# Altium PCB BW2098POE.PcbDoc (part 4 of 4)
Units mm, origin at the board's own origin, x right, y up, seen from the top; angles counter-clockwise.
Board outline 80 x 60 mm, 4 copper layers (Top Layer, Layer 2, Layer 3, Bottom Layer), stack 1.578 mm thick; 237 components, 208 nets, 924 pads, 538 vias.
Unrouted connection lines stored in the file: 70.
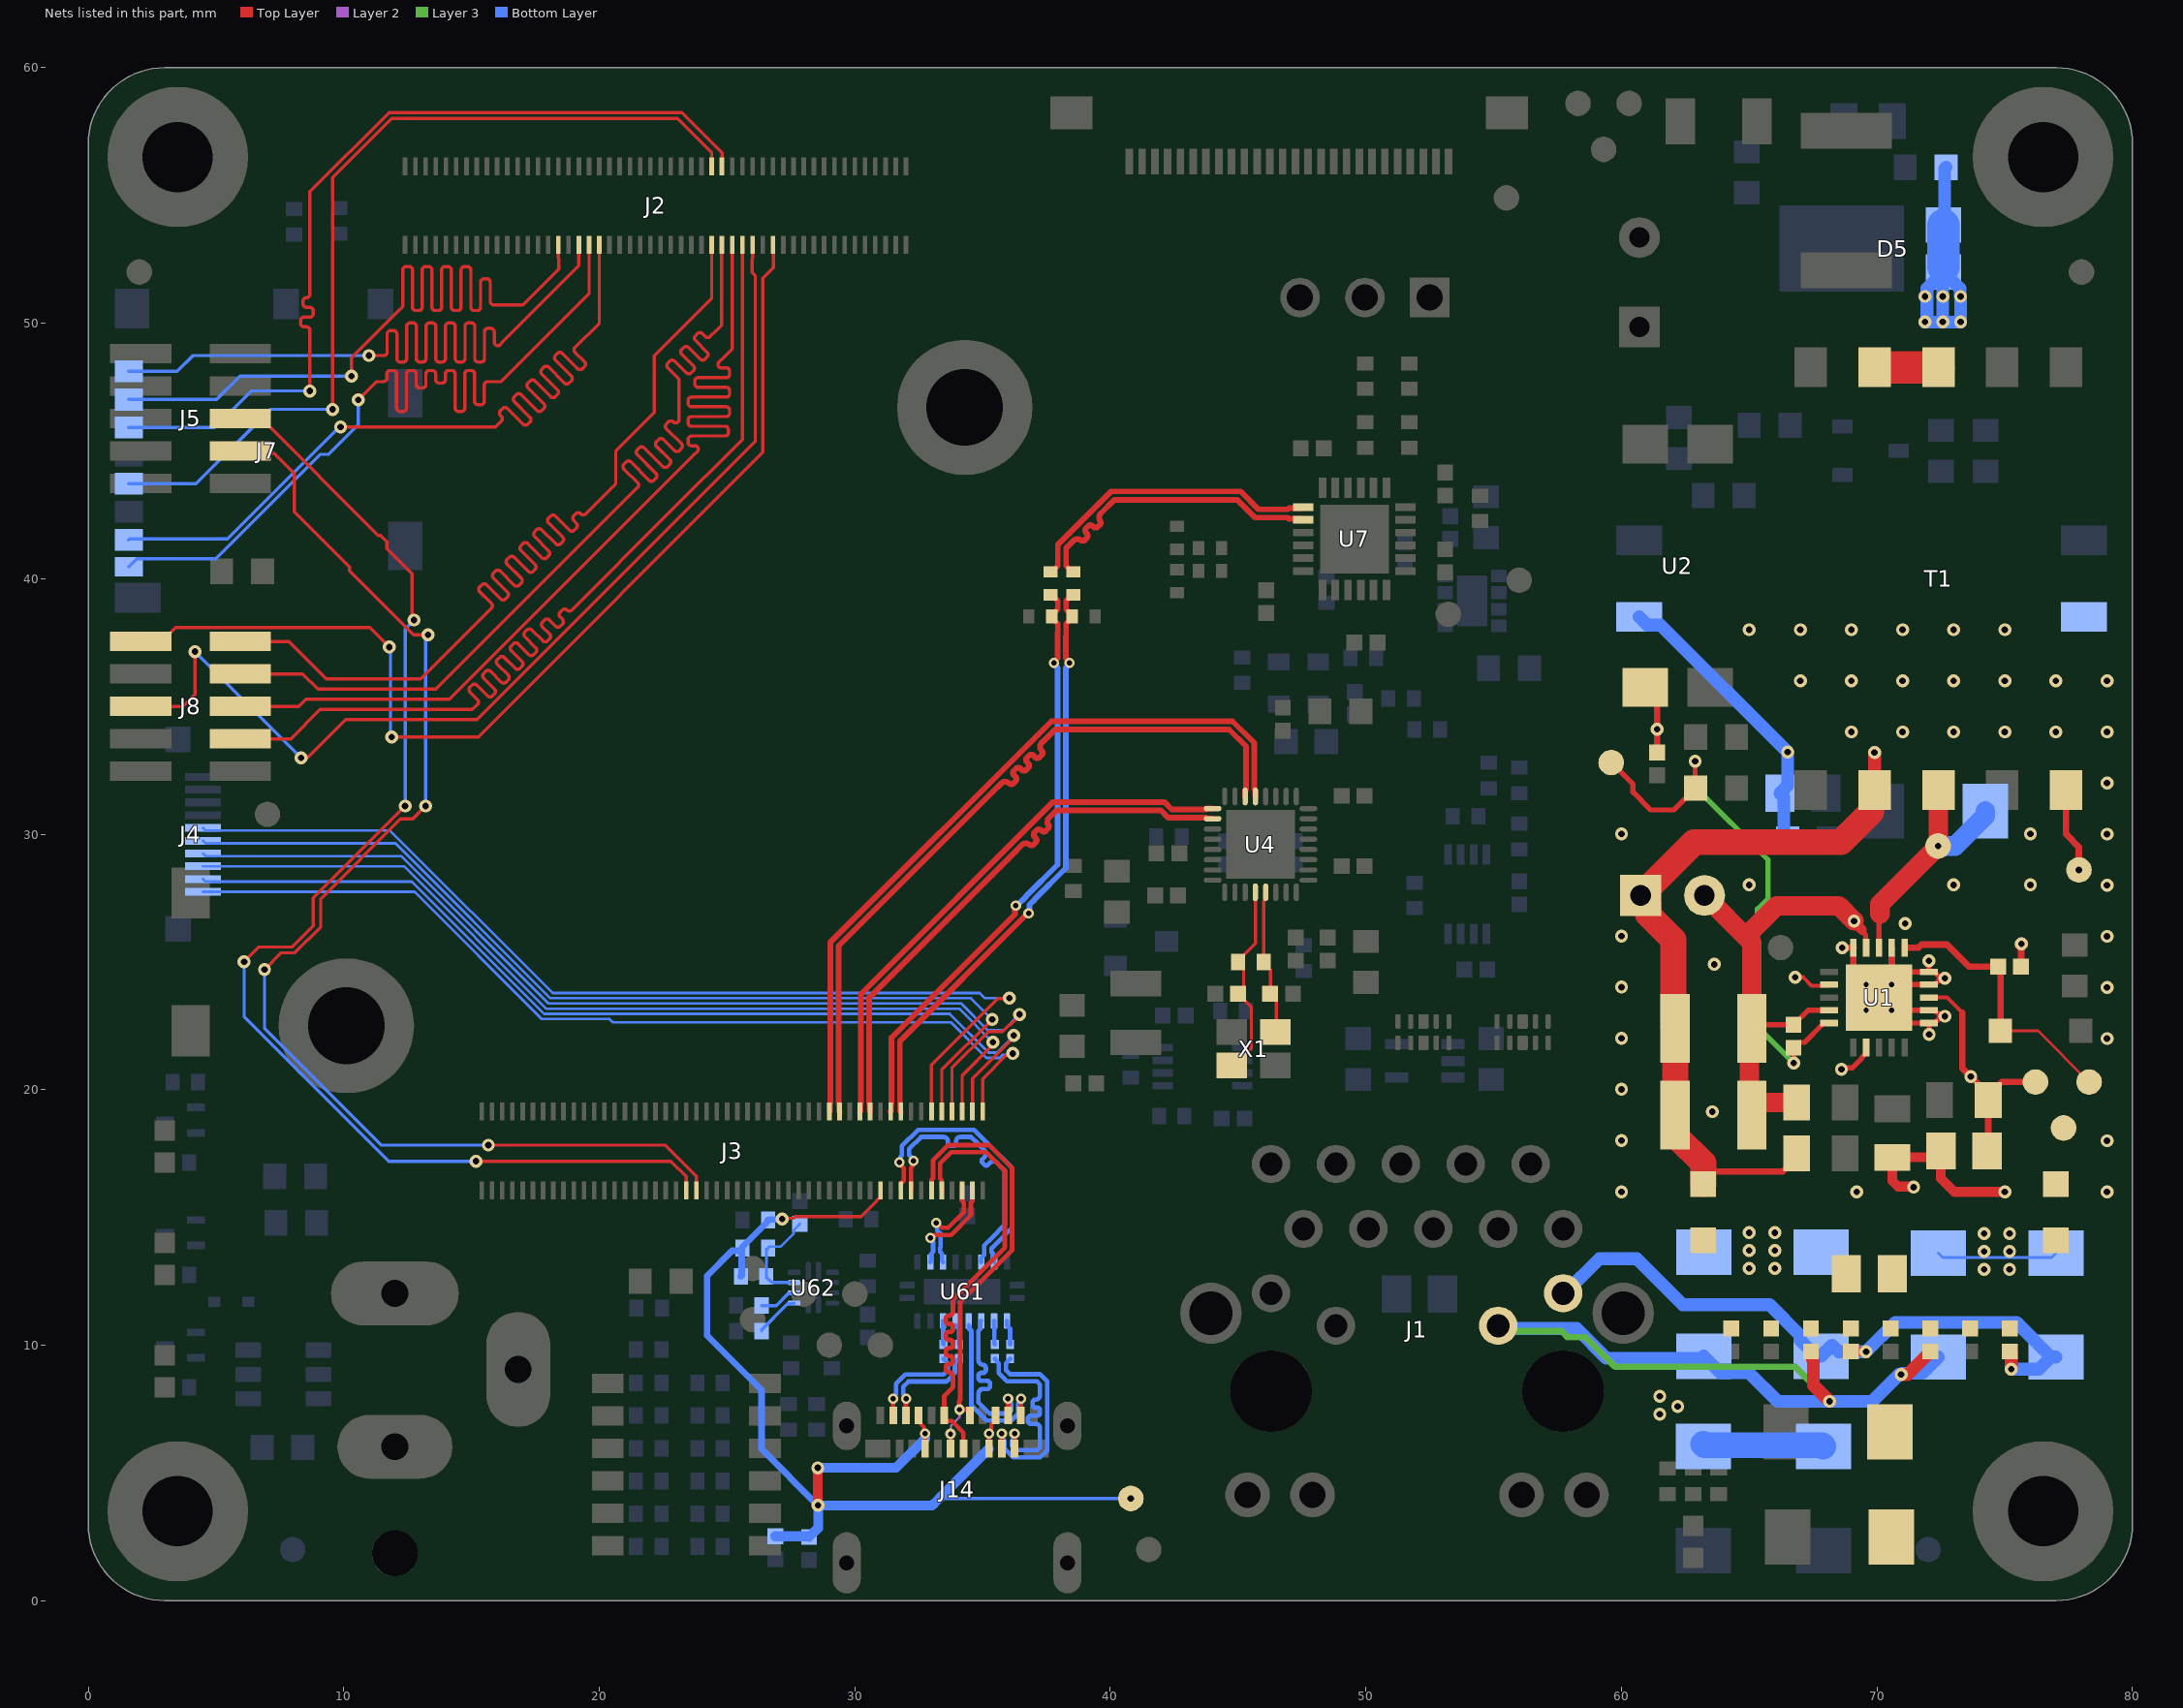
[diagram p6: the nets of this part, all layers, seen from the top]

## Via types
v1: diameter 0.508, hole 0.254, Top Layer to Bottom Layer, tented both sides, 426 vias
v2: diameter 0.406, hole 0.203, Top Layer to Bottom Layer, tented both sides, 96 vias
v3: diameter 0.406, hole 0.203, Top Layer to Bottom Layer, 8 vias
v4: diameter 0.508, hole 0.254, Top Layer to Bottom Layer, 8 vias

## Nets (pads, with @x,y where several pads share a name; then routed paths per layer and width w, separated by ;. In a path a pad name is that pad's centre, name@x,y a point inside that pad or via, vN(x,y) a via of type N, cw(c..) or ccw(c..) an arc to the next point about the centre after c; other vN are vias at no path point) (continued)
RXC_N: J14.A10 U61.14 | length 6.9
  Top Layer w0.178: v2(35.996,7.9) v2(35.996,7.9) 35.998,7.252 J14.A10@36,7.25
  Bottom Layer w0.178: U61.14@34.95,10.95 34.914,10.914 34.914,10.627 34.84,10.552 34.84,9.766 34.84,9.709 34.84,9.677 34.84,9.417 ccw(c35.028,9.417) 35.015,9.23 cw(c35.015,9.12) 35.125,9.12 35.125,9.025 cw(c35.015,9.025) 35.015,8.915 34.95,8.915 ccw(c34.95,8.805) 34.84,8.805 34.84,8.711 ccw(c34.95,8.711) 34.95,8.601 35.179,8.601 cw(c35.179,8.491) 35.289,8.491 35.289,8.396 cw(c35.179,8.396) 35.179,8.286 35.017,8.286 ccw(c35.017,8.108) 34.84,8.108 34.84,7.761 34.895,7.705 35.274,7.326 36.006,7.326 36.11,7.43 36.11,7.724 35.996,7.838 v2(35.996,7.9)
RXC_P: J14.A11 U61.15 | length 6.6
  Top Layer w0.178: J14.A11@36.5,7.25 36.502,7.252 36.502,7.898 v2(36.504,7.9)
  Bottom Layer w0.178: U61.15@34.45,10.775 34.486,10.739 34.486,10.627 34.56,10.552 34.56,7.645 35.158,7.047 36.122,7.047 36.39,7.315 36.39,7.724 36.504,7.838 v2(36.504,7.9)
sd_hst0_clk: J2.61 J7.5 | length 35.1
  Top Layer w0.127: v1(9.557,46.624) 9.557,55.705 11.868,58.015 23.055,58.015 24.4,56.67 J2.61@24.4,56.14
  Bottom Layer w0.127: J7.5@1.588,43.712 4.215,43.712 7.127,46.624 v1(9.557,46.624)
sd_hst0_cmd: J2.63 J7.3 | length 35.1
  Top Layer w0.127: v1(8.675,47.344) 8.675,49.656 8.675,49.72 ccw(c8.542,49.72) 8.542,49.853 8.444,49.853 cw(c8.444,49.986) 8.311,49.986 8.311,50.101 cw(c8.444,50.101) 8.444,50.234 8.675,50.234 ccw(c8.675,50.367) 8.809,50.367 8.809,50.482 ccw(c8.675,50.482) 8.675,50.615 8.542,50.615 cw(c8.542,50.748) 8.408,50.748 8.408,50.863 cw(c8.542,50.863) 8.542,50.996 ccw(c8.542,51.129) 8.675,51.129 8.675,53.347 8.675,55.146 11.773,58.243 23.226,58.243 24.8,56.67 J2.63@24.8,56.14
  Bottom Layer w0.127: J7.3@1.588,45.912 4.939,45.912 6.37,47.344 v1(8.675,47.344)
sd_hst0_dat_0: J2.40 J7.7 | length 35.1
  Top Layer w0.127: v1(9.877,45.93) 15.93,45.93 16.122,46.122 16.167,46.167 ccw(c16.073,46.261) 16.167,46.355 16.131,46.391 cw(c16.226,46.485) 16.131,46.579 16.212,46.66 cw(c16.307,46.566) 16.401,46.66 17.017,46.044 ccw(c17.111,46.138) 17.206,46.044 17.286,46.125 ccw(c17.192,46.219) 17.286,46.314 16.67,46.93 cw(c16.765,47.024) 16.67,47.118 16.751,47.199 cw(c16.845,47.105) 16.94,47.199 17.556,46.583 ccw(c17.65,46.677) 17.744,46.583 17.825,46.664 ccw(c17.731,46.758) 17.825,46.852 17.209,47.469 cw(c17.303,47.563) 17.209,47.657 17.29,47.738 cw(c17.384,47.644) 17.478,47.738 18.095,47.122 ccw(c18.189,47.216) 18.283,47.122 18.364,47.203 ccw(c18.27,47.297) 18.364,47.391 17.748,48.007 cw(c17.842,48.102) 17.748,48.196 17.829,48.277 cw(c17.923,48.182) 18.017,48.277 18.633,47.661 ccw(c18.728,47.755) 18.822,47.661 18.903,47.741 ccw(c18.809,47.836) 18.903,47.93 18.287,48.546 cw(c18.381,48.64) 18.287,48.735 18.367,48.816 cw(c18.462,48.721) 18.556,48.816 19.154,48.218 ccw(c19.248,48.312) 19.342,48.218 19.423,48.299 ccw(c19.329,48.393) 19.423,48.487 19.05,48.861 cw(c19.144,48.955) 19.05,49.05 20,50 J2.40@20,53.06
  Bottom Layer w0.127: J7.7@1.588,41.513 1.629,41.554 5.455,41.554 9.832,45.93 v1(9.877,45.93)
sd_hst0_dat_1: J2.38 J7.8 | length 35.1
  Top Layer w0.127: v1(10.572,46.996) 11.285,47.709 11.494,47.709 11.557,47.709 ccw(c11.557,47.842) 11.691,47.842 11.691,48.012 cw(c11.824,48.012) 11.824,48.145 11.938,48.145 cw(c11.938,48.012) 12.072,48.012 12.072,46.677 ccw(c12.205,46.677) 12.205,46.544 12.319,46.544 ccw(c12.319,46.677) 12.453,46.677 12.453,48.012 cw(c12.586,48.012) 12.586,48.145 12.7,48.145 cw(c12.7,48.012) 12.834,48.012 12.834,47.596 ccw(c12.967,47.596) 12.967,47.462 13.081,47.462 ccw(c13.081,47.596) 13.215,47.596 13.215,48.012 cw(c13.348,48.012) 13.348,48.145 13.462,48.145 cw(c13.462,48.012) 13.596,48.012 13.596,47.785 ccw(c13.729,47.785) 13.729,47.652 13.843,47.652 ccw(c13.843,47.785) 13.977,47.785 13.977,48.012 cw(c14.11,48.012) 14.11,48.145 14.224,48.145 cw(c14.224,48.012) 14.358,48.012 14.358,46.677 ccw(c14.491,46.677) 14.491,46.544 14.605,46.544 ccw(c14.605,46.677) 14.739,46.677 14.739,48.012 cw(c14.872,48.012) 14.872,48.145 14.986,48.145 cw(c14.986,48.012) 15.12,48.012 15.12,46.94 ccw(c15.253,46.94) 15.253,46.807 15.367,46.807 ccw(c15.367,46.94) 15.501,46.94 15.501,47.576 cw(c15.634,47.576) 15.634,47.709 16.151,47.709 16.157,47.709 19.6,51.152 J2.38@19.6,53.06
  Bottom Layer w0.127: J7.8@1.588,40.462 1.899,40.774 4.999,40.774 9.09,44.865 9.405,44.865 10.572,46.032 v1(10.572,46.996)
sd_hst0_dat_2: J2.36 J7.1 | length 35
  Top Layer w0.127: v1(10.986,48.731) 11.501,48.731 11.564,48.731 ccw(c11.564,48.864) 11.697,48.864 11.697,49.578 cw(c11.831,49.578) 11.831,49.712 11.945,49.712 cw(c11.945,49.578) 12.078,49.578 12.078,48.61 ccw(c12.212,48.61) 12.212,48.477 12.326,48.477 ccw(c12.326,48.61) 12.459,48.61 12.459,49.872 cw(c12.593,49.872) 12.593,50.006 12.707,50.006 cw(c12.707,49.872) 12.84,49.872 12.84,48.61 ccw(c12.974,48.61) 12.974,48.477 13.088,48.477 ccw(c13.088,48.61) 13.221,48.61 13.221,49.872 cw(c13.355,49.872) 13.355,50.006 13.469,50.006 cw(c13.469,49.872) 13.602,49.872 13.602,48.61 ccw(c13.736,48.61) 13.736,48.477 13.85,48.477 ccw(c13.85,48.61) 13.983,48.61 13.983,49.872 cw(c14.117,49.872) 14.117,50.006 14.231,50.006 cw(c14.231,49.872) 14.364,49.872 14.364,48.61 ccw(c14.498,48.61) 14.498,48.477 14.612,48.477 ccw(c14.612,48.61) 14.745,48.61 14.745,49.872 cw(c14.879,49.872) 14.879,50.006 14.993,50.006 cw(c14.993,49.872) 15.126,49.872 15.126,48.61 ccw(c15.26,48.61) 15.26,48.477 15.374,48.477 ccw(c15.374,48.61) 15.507,48.61 15.507,49.662 cw(c15.641,49.662) 15.641,49.795 15.755,49.795 cw(c15.755,49.662) 15.888,49.662 15.888,49.253 ccw(c16.022,49.253) 16.116,49.159 16.222,49.265 19.2,52.243 J2.36@19.2,53.06
  Bottom Layer w0.127: J7.1@1.588,48.112 3.481,48.113 4.099,48.731 v1(10.986,48.731)
sd_hst0_dat_3: J2.32 J7.2 | length 35.1
  Top Layer w0.127: v1(10.302,47.927) 10.302,48.639 12.176,50.514 12.268,50.605 ccw(c12.173,50.699) 12.307,50.699 12.307,52.081 cw(c12.44,52.081) 12.44,52.215 12.554,52.215 cw(c12.554,52.081) 12.688,52.081 12.688,50.625 ccw(c12.821,50.625) 12.821,50.492 12.935,50.492 ccw(c12.935,50.625) 13.069,50.625 13.069,52.081 cw(c13.202,52.081) 13.202,52.215 13.316,52.215 cw(c13.316,52.081) 13.45,52.081 13.45,50.625 ccw(c13.583,50.625) 13.583,50.492 13.697,50.492 ccw(c13.697,50.625) 13.831,50.625 13.831,52.081 cw(c13.964,52.081) 13.964,52.215 14.078,52.215 cw(c14.078,52.081) 14.212,52.081 14.212,50.625 ccw(c14.345,50.625) 14.345,50.492 14.459,50.492 ccw(c14.459,50.625) 14.593,50.625 14.593,52.081 cw(c14.726,52.081) 14.726,52.215 14.84,52.215 cw(c14.84,52.081) 14.974,52.081 14.974,50.625 ccw(c15.107,50.625) 15.107,50.492 15.221,50.492 ccw(c15.221,50.625) 15.355,50.625 15.355,51.6 cw(c15.488,51.6) 15.488,51.733 15.602,51.733 cw(c15.602,51.6) 15.736,51.6 15.736,50.839 ccw(c15.869,50.839) 15.869,50.705 16.51,50.705 17.005,50.705 18.419,52.119 18.419,52.524 18.4,52.543 J2.32@18.4,53.06
  Bottom Layer w0.127: J7.2@1.588,47.012 5.022,47.012 5.936,47.927 v1(10.302,47.927)
SDS_IO_CLKI1_N: R36.2 U7.13 | length 12
  Top Layer w0.223: R36.2@37.654,40.267 37.704,40.267 37.942,40.504 37.942,41.33 40.024,43.413 45.097,43.413 45.797,42.713 46.938,42.713 46.988,42.762 47.512,42.762 U7.13@47.55,42.8
SDS_IO_CLKI1_P: R34.2 U7.14 | length 12.1
  Top Layer w0.223: R34.2@38.554,40.267 38.504,40.267 38.267,40.504 38.267,41.091 38.267,41.196 38.553,41.482 cw(c38.711,41.324) 38.814,41.523 38.822,41.519 ; 38.823,41.518 ccw(c38.912,41.607) 39.001,41.518 39.078,41.595 ccw(c38.988,41.684) 39.078,41.773 39.05,41.801 cw(c39.139,41.89) 39.05,41.979 39.126,42.055 cw(c39.215,41.966) 39.305,42.055 39.332,42.028 ccw(c39.421,42.117) 39.511,42.028 39.587,42.104 ccw(c39.498,42.193) 39.587,42.282 cw(c39.781,42.394) 39.623,42.552 40.158,43.087 40.361,43.087 44.963,43.087 45.663,42.387 46.938,42.387 46.988,42.338 47.512,42.338 U7.14@47.55,42.3
SDS_IO_CLKI_N: J3.81 R36.1 R41.2 | length 23.4
  Top Layer w0.223: J3.81@31.4,19.14 31.422,19.162 31.422,19.422 31.437,19.437 31.437,22.036 36.265,26.863 36.265,27.165 v2(36.3,27.2) ; R36.1@37.654,39.367 37.704,39.367 37.942,39.129 37.942,38.804 37.704,38.567 R41.2@37.704,38.517 37.704,38.467 37.942,38.229 37.942,37.871 37.933,37.862 37.933,36.892 37.79,36.749 v2(37.79,36.7)
  Bottom Layer w0.223: v2(36.3,27.2) 36.339,27.2 36.708,27.569 36.708,27.581 37.933,28.806 37.933,36.508 37.79,36.651 v2(37.79,36.7)
SDS_IO_CLKI_P: J3.83 R34.1 R40.1 | length 23.4
  Top Layer w0.223: J3.83@31.8,19.14 31.778,19.162 31.778,19.422 31.763,19.437 31.763,21.901 36.761,26.9 v2(36.8,26.9) ; v2(38.4,36.7) 38.4,36.749 38.258,36.892 38.258,37.728 38.267,37.737 38.267,38.229 38.504,38.467 R40.1@38.504,38.517 38.504,38.567 38.267,38.804 38.267,39.129 38.504,39.367 R34.1@38.554,39.367
  Bottom Layer w0.223: v2(36.8,26.9) 36.835,26.935 36.835,27.237 37.033,27.435 37.033,27.446 38.258,28.671 38.258,36.508 38.4,36.651 v2(38.4,36.7)
SDS_RXD_N: J3.77 U4.18 | length 21.8
  Top Layer w0.223: J3.77@30.6,19.14 30.578,19.162 30.578,19.422 30.563,19.437 30.563,23.604 36.197,29.238 36.532,29.574 cw(c36.691,29.416) 36.814,29.603 36.82,29.599 ccw(c36.909,29.687) 36.999,29.598 37.075,29.675 ccw(c36.986,29.764) 37.075,29.853 37.033,29.895 cw(c37.122,29.985) 37.033,30.074 37.109,30.15 cw(c37.198,30.061) 37.287,30.15 37.301,30.136 ccw(c37.39,30.226) 37.479,30.136 37.556,30.213 ccw(c37.467,30.302) 37.556,30.391 cw(c37.759,30.484) 37.601,30.642 37.827,30.868 37.89,30.931 37.922,30.931 41.977,30.931 42.271,30.637 43.736,30.637 43.773,30.6 U4.18@44,30.6
SDS_RXD_P: J3.75 U4.17 | length 21.6
  Top Layer w0.223: J3.75@30.2,19.14 30.222,19.162 30.222,19.422 30.237,19.437 30.237,23.738 37.756,31.257 42.111,31.257 42.405,30.963 43.736,30.963 43.773,31 U4.17@44,31
SDS_TXD_N: J3.71 U4.14 | length 29.5
  Top Layer w0.223: J3.71@29.4,19.14 29.378,19.162 29.378,19.422 29.363,19.437 29.363,25.626 35.391,31.654 35.724,31.987 cw(c35.882,31.829) 36.032,31.995 36.034,31.994 ; 36.035,31.993 ccw(c36.124,32.082) 36.213,31.993 36.29,32.069 ccw(c36.2,32.158) 36.29,32.248 36.226,32.311 cw(c36.315,32.4) 36.226,32.489 36.303,32.566 cw(c36.392,32.477) 36.481,32.566 36.529,32.518 ccw(c36.618,32.607) 36.707,32.518 36.784,32.594 ccw(c36.695,32.683) 36.784,32.773 36.736,32.821 cw(c36.825,32.91) 36.736,32.999 36.812,33.075 cw(c36.901,32.986) 36.99,33.075 37.054,33.012 ccw(c37.143,33.101) 37.232,33.012 37.309,33.088 ccw(c37.219,33.177) 37.309,33.267 cw(c37.472,33.419) 37.314,33.578 37.734,33.997 37.813,34.076 37.833,34.096 44.645,34.096 45.312,33.428 45.312,31.739 45.275,31.702 U4.14@45.275,31.475
SDS_TXD_P: J3.69 U4.13 | length 29.3
  Top Layer w0.223: J3.69@29,19.14 29.022,19.162 29.022,19.422 29.037,19.437 29.037,25.76 37.698,34.421 44.78,34.421 45.638,33.563 45.638,31.739 45.675,31.702 U4.13@45.675,31.475
SP1: C12.1 C16.2 D9.1 D13.2 J1.13 | length 37.2
  Top Layer w0.508: C12.1@67.414,9.75 67.47,9.694 67.47,9.433 67.507,9.396 67.507,8.435 v1(68.142,7.8) ; v1(70.943,8.855) 71.19,8.855 C16.2@72.086,9.75
  Layer 3 w0.254: J1.13@55.175,10.76 55.388,10.547 57.659,10.547 57.898,10.308 58.591,10.308 59.741,9.158 66.784,9.158 v1(68.142,7.8)
  Bottom Layer w0.508: J1.13@55.175,10.76 55.285,10.65 58.249,10.65 59.41,9.489 63.141,9.489 D13.2@63.22,9.568 63.855,8.933 64.975,8.933 66.108,7.8 v1(68.142,7.8) 69.807,7.8 70.862,8.855 v1(70.943,8.855) 70.989,8.901 71.765,8.901 D9.1@72.4,9.536
SP2: C13.1 C17.2 D8.1 D12.2 J1.14 | length 26
  Top Layer w0.381: C13.1@68.971,9.75 68.975,9.747 69.568,9.747 v1(69.571,9.744)
  Top Layer w0.508: C17.2@75.2,9.75 75.25,9.75 v1(75.25,9.065)
  Bottom Layer w0.508: J1.14@57.715,12.03 57.784,12.03 59.141,13.388 60.598,13.388 62.405,11.58 65.801,11.58 66.988,10.393 66.988,10.203 67.623,9.568 D12.2@67.813,9.568 68.245,10 68.502,9.744 v1(69.571,9.744) 70.717,10.889 75.456,10.889 D8.1@76.81,9.536 ; v1(75.25,9.065) 76.338,9.065 D8.1@76.81,9.536 ; D8.1@77,9.536 D8.1@76.81,9.536
SPI_SCK: J2.74 J8.1 | length 41.3
  Top Layer w0.127: J8.1@2.05,37.54 2.87,37.54 3.415,38.085 11.013,38.085 v1(11.778,37.32) ; v1(11.877,33.807) 15.263,33.807 26.404,44.947 26.404,51.761 26.819,52.176 26.819,52.524 26.817,52.526 26.817,53.043 J2.74@26.8,53.06
  Bottom Layer w0.127: v1(11.778,37.32) 11.828,37.271 11.828,33.856 v1(11.877,33.807)
SPI_SIO0: J2.62 J8.2 | length 40.9
  Top Layer w0.127: J8.2@5.95,37.54 7.852,37.54 9.315,36.077 13.012,36.077 15.73,38.795 15.775,38.84 ccw(c15.681,38.934) 15.775,39.028 15.316,39.487 cw(c15.411,39.582) 15.316,39.676 15.397,39.757 cw(c15.491,39.662) 15.586,39.757 16.139,39.204 ccw(c16.233,39.298) 16.327,39.204 16.408,39.284 ccw(c16.314,39.379) 16.408,39.473 15.855,40.026 cw(c15.949,40.12) 15.855,40.215 15.936,40.295 cw(c16.03,40.201) 16.125,40.295 16.678,39.742 ccw(c16.772,39.837) 16.866,39.742 16.947,39.823 ccw(c16.853,39.918) 16.947,40.012 16.394,40.565 cw(c16.488,40.659) 16.394,40.753 16.475,40.834 cw(c16.569,40.74) 16.663,40.834 17.216,40.281 ccw(c17.311,40.376) 17.405,40.281 17.486,40.362 ccw(c17.392,40.456) 17.486,40.551 16.933,41.104 cw(c17.027,41.198) 16.933,41.292 17.014,41.373 cw(c17.108,41.279) 17.202,41.373 17.755,40.82 ccw(c17.85,40.914) 17.944,40.82 18.025,40.901 ccw(c17.93,40.995) 18.025,41.089 17.472,41.643 cw(c17.566,41.737) 17.472,41.831 17.552,41.912 cw(c17.647,41.818) 17.741,41.912 18.294,41.359 ccw(c18.388,41.453) 18.483,41.359 18.564,41.44 ccw(c18.469,41.534) 18.564,41.628 18.01,42.181 cw(c18.105,42.276) 18.01,42.37 18.091,42.451 cw(c18.186,42.356) 18.28,42.451 18.833,41.898 ccw(c18.927,41.992) 19.021,41.898 19.102,41.978 ccw(c19.008,42.073) 19.102,42.167 19,42.269 cw(c19.094,42.364) 19,42.458 19.081,42.539 cw(c19.175,42.445) 19.269,42.539 19.277,42.531 ccw(c19.372,42.625) 19.466,42.531 20.641,43.706 20.641,44.991 22.147,46.497 22.147,48.726 24.4,50.979 J2.62@24.4,53.06
SPI_SIO1: J2.64 J8.4 | length 40.9
  Top Layer w0.127: J8.4@5.95,36.27 8.392,36.27 8.985,35.677 13.606,35.677 20.612,42.684 21.454,43.526 21.499,43.571 ccw(c21.405,43.665) 21.499,43.759 20.964,44.294 cw(c21.059,44.388) 20.964,44.483 21.045,44.563 cw(c21.139,44.469) 21.234,44.563 21.948,43.849 ccw(c22.042,43.943) 22.137,43.849 22.218,43.93 ccw(c22.123,44.024) 22.218,44.118 21.487,44.849 cw(c21.582,44.943) 21.487,45.037 21.568,45.118 cw(c21.662,45.024) 21.757,45.118 22.487,44.388 ccw(c22.581,44.482) 22.675,44.388 22.756,44.469 ccw(c22.662,44.563) 22.756,44.657 22.236,45.177 cw(c22.33,45.272) 22.236,45.366 22.317,45.447 cw(c22.411,45.353) 22.506,45.447 22.94,45.012 ccw(c23.035,45.106) 23.129,45.012 23.21,45.093 ccw(c23.116,45.187) 23.21,45.281 22.626,45.866 cw(c22.72,45.96) 22.626,46.054 22.706,46.135 cw(c22.801,46.041) 22.895,46.135 ccw(c22.989,46.229) 23.123,46.229 23.123,46.729 23.123,47.62 23.123,47.749 ccw(c22.989,47.749) 23.084,47.843 22.686,48.241 cw(c22.78,48.335) 22.686,48.43 22.766,48.51 cw(c22.861,48.416) 22.955,48.511 23.411,48.055 ccw(c23.505,48.149) 23.599,48.055 23.68,48.135 ccw(c23.586,48.23) 23.68,48.324 23.224,48.78 cw(c23.319,48.874) 23.224,48.968 23.305,49.049 cw(c23.4,48.955) 23.494,49.049 23.95,48.593 ccw(c24.044,48.688) 24.138,48.593 24.219,48.674 ccw(c24.125,48.769) 24.219,48.863 23.763,49.319 cw(c23.857,49.413) 23.763,49.507 23.844,49.588 cw(c23.938,49.494) 24.033,49.588 24.149,49.472 ccw(c24.243,49.566) 24.337,49.472 24.607,49.741 24.787,49.922 24.787,53.047 J2.64@24.8,53.06
SPI_SIO2: J2.66 J8.6 | length 40.9
  Top Layer w0.127: J8.6@5.95,35 8.242,35 8.519,35.277 14.138,35.277 23.731,44.87 23.834,44.973 ccw(c23.739,45.067) 23.739,45.201 23.611,45.201 cw(c23.611,45.334) 23.478,45.334 23.478,45.448 cw(c23.611,45.448) 23.611,45.582 24.918,45.582 ccw(c24.918,45.715) 25.051,45.715 25.051,45.829 ccw(c24.918,45.829) 24.918,45.963 23.611,45.963 cw(c23.611,46.096) 23.478,46.096 23.478,46.21 cw(c23.611,46.21) 23.611,46.344 24.967,46.344 ccw(c24.967,46.477) 25.1,46.477 25.1,46.591 ccw(c24.967,46.591) 24.967,46.725 23.611,46.725 cw(c23.611,46.858) 23.478,46.858 23.478,46.972 cw(c23.611,46.972) 23.611,47.106 24.967,47.106 ccw(c24.967,47.239) 25.1,47.239 25.1,47.353 ccw(c24.967,47.353) 24.967,47.487 23.869,47.487 cw(c23.869,47.62) 23.736,47.62 23.736,47.734 cw(c23.869,47.734) 23.869,47.868 24.967,47.868 ccw(c24.967,48.001) 25.1,48.001 25.1,48.115 ccw(c24.967,48.115) 24.967,48.249 24.776,48.249 cw(c24.776,48.382) 24.681,48.476 24.856,48.651 25.2,48.995 J2.66@25.2,53.06
SPI_SIO3: J2.68 J8.8 | length 40.9
  Top Layer w0.127: J8.8@5.95,33.73 7.927,33.73 9.074,34.877 15.03,34.877 15.187,35.034 15.232,35.079 ccw(c15.138,35.174) 15.232,35.268 14.936,35.564 cw(c15.031,35.658) 14.936,35.752 15.017,35.833 cw(c15.111,35.739) 15.206,35.833 15.628,35.411 ccw(c15.722,35.505) 15.816,35.411 15.897,35.492 ccw(c15.803,35.586) 15.897,35.68 15.475,36.103 cw(c15.569,36.197) 15.475,36.291 15.556,36.372 cw(c15.65,36.278) 15.744,36.372 16.167,35.95 ccw(c16.261,36.044) 16.355,35.95 16.436,36.031 ccw(c16.342,36.125) 16.436,36.219 16.014,36.641 cw(c16.108,36.736) 16.014,36.83 16.095,36.911 cw(c16.189,36.817) 16.283,36.911 16.705,36.489 ccw(c16.8,36.583) 16.894,36.489 16.975,36.57 ccw(c16.88,36.664) 16.975,36.758 16.553,37.18 cw(c16.647,37.275) 16.553,37.369 16.633,37.45 cw(c16.728,37.355) 16.822,37.45 17.244,37.028 ccw(c17.338,37.122) 17.433,37.028 17.514,37.108 ccw(c17.419,37.203) 17.514,37.297 17.091,37.719 cw(c17.186,37.813) 17.091,37.908 17.172,37.988 cw(c17.267,37.894) 17.361,37.988 17.783,37.566 ccw(c17.877,37.661) 17.972,37.566 18.052,37.647 ccw(c17.958,37.741) 18.052,37.836 17.776,38.112 cw(c17.871,38.206) 17.776,38.3 17.857,38.381 cw(c17.952,38.287) 18.046,38.381 18.29,38.137 ccw(c18.384,38.231) 18.479,38.137 18.559,38.218 ccw(c18.465,38.312) 18.559,38.406 18.465,38.501 cw(c18.559,38.595) 18.465,38.689 18.546,38.77 cw(c18.64,38.676) 18.734,38.77 ccw(c18.829,38.864) 18.923,38.77 22.69,42.537 25.6,45.447 J2.68@25.6,53.06
SPI_SS_0: J2.70 J8.5 | length 40.5
  Top Layer w0.127: J8.5@2.05,35 3.71,35 4.175,35.465 v1(4.175,37.145) ; v1(8.33,32.988) 8.577,32.988 10.065,34.477 15.206,34.477 26.104,45.376 26.104,51.853 25.981,51.977 25.981,52.524 26,52.543 J2.70@26,53.06
  Bottom Layer w0.127: v1(4.175,37.145) v1(8.33,32.988)
SWO: D4.2 T1.3 TP7.1 U1.18 | length 9.6
  Top Layer w0.203: U1.18@70.076,25.557 70.076,26.878
  Top Layer w0.762: 70.116,26.878 70.116,27.263 v1(72.389,29.536) ; TP7.1@72.4,29.547 T1.3@72.4,31.725
  Bottom Layer w0.762: v1(72.389,29.536) 73.058,29.536 74.232,30.709 D4.2@74.232,30.9
SYS_RST: J3.89 J4.6 | length 40.3
  Top Layer w0.127: J3.89@33,19.14 33,20.965 35.601,23.566 36.034,23.566 v1(36.046,23.578)
  Bottom Layer w0.102: J4.6@4.495,30.242 4.596,30.14 11.814,30.14 18.173,23.781 34.887,23.781 35.091,23.578 v1(36.046,23.578)
TCK: J3.97 J4.2 | length 38.5
  Top Layer w0.127: J3.97@34.6,19.14 34.6,20.432 36.217,22.048 v1(36.217,22.122)
  Bottom Layer w0.102: J4.2@4.495,28.242 4.596,28.14 12.665,28.14 17.836,22.968 33.711,22.968 35.232,21.447 35.569,21.447 36.217,22.095 v1(36.217,22.122)
TDI: J3.95 J4.3 | length 37
  Top Layer w0.127: J3.95@34.2,19.14 34.2,20.559 35.4,21.759 v1(35.4,21.854)